# Altium PCB TK2560_PCB.PcbDoc (part 1 of 3)
Units mm, origin at the board's own origin, x right, y up, seen from the top; angles counter-clockwise.
Board outline 200 x 141.45 mm, 2 copper layers (L1, L2); 167 components, 176 nets, 683 pads, 232 vias.
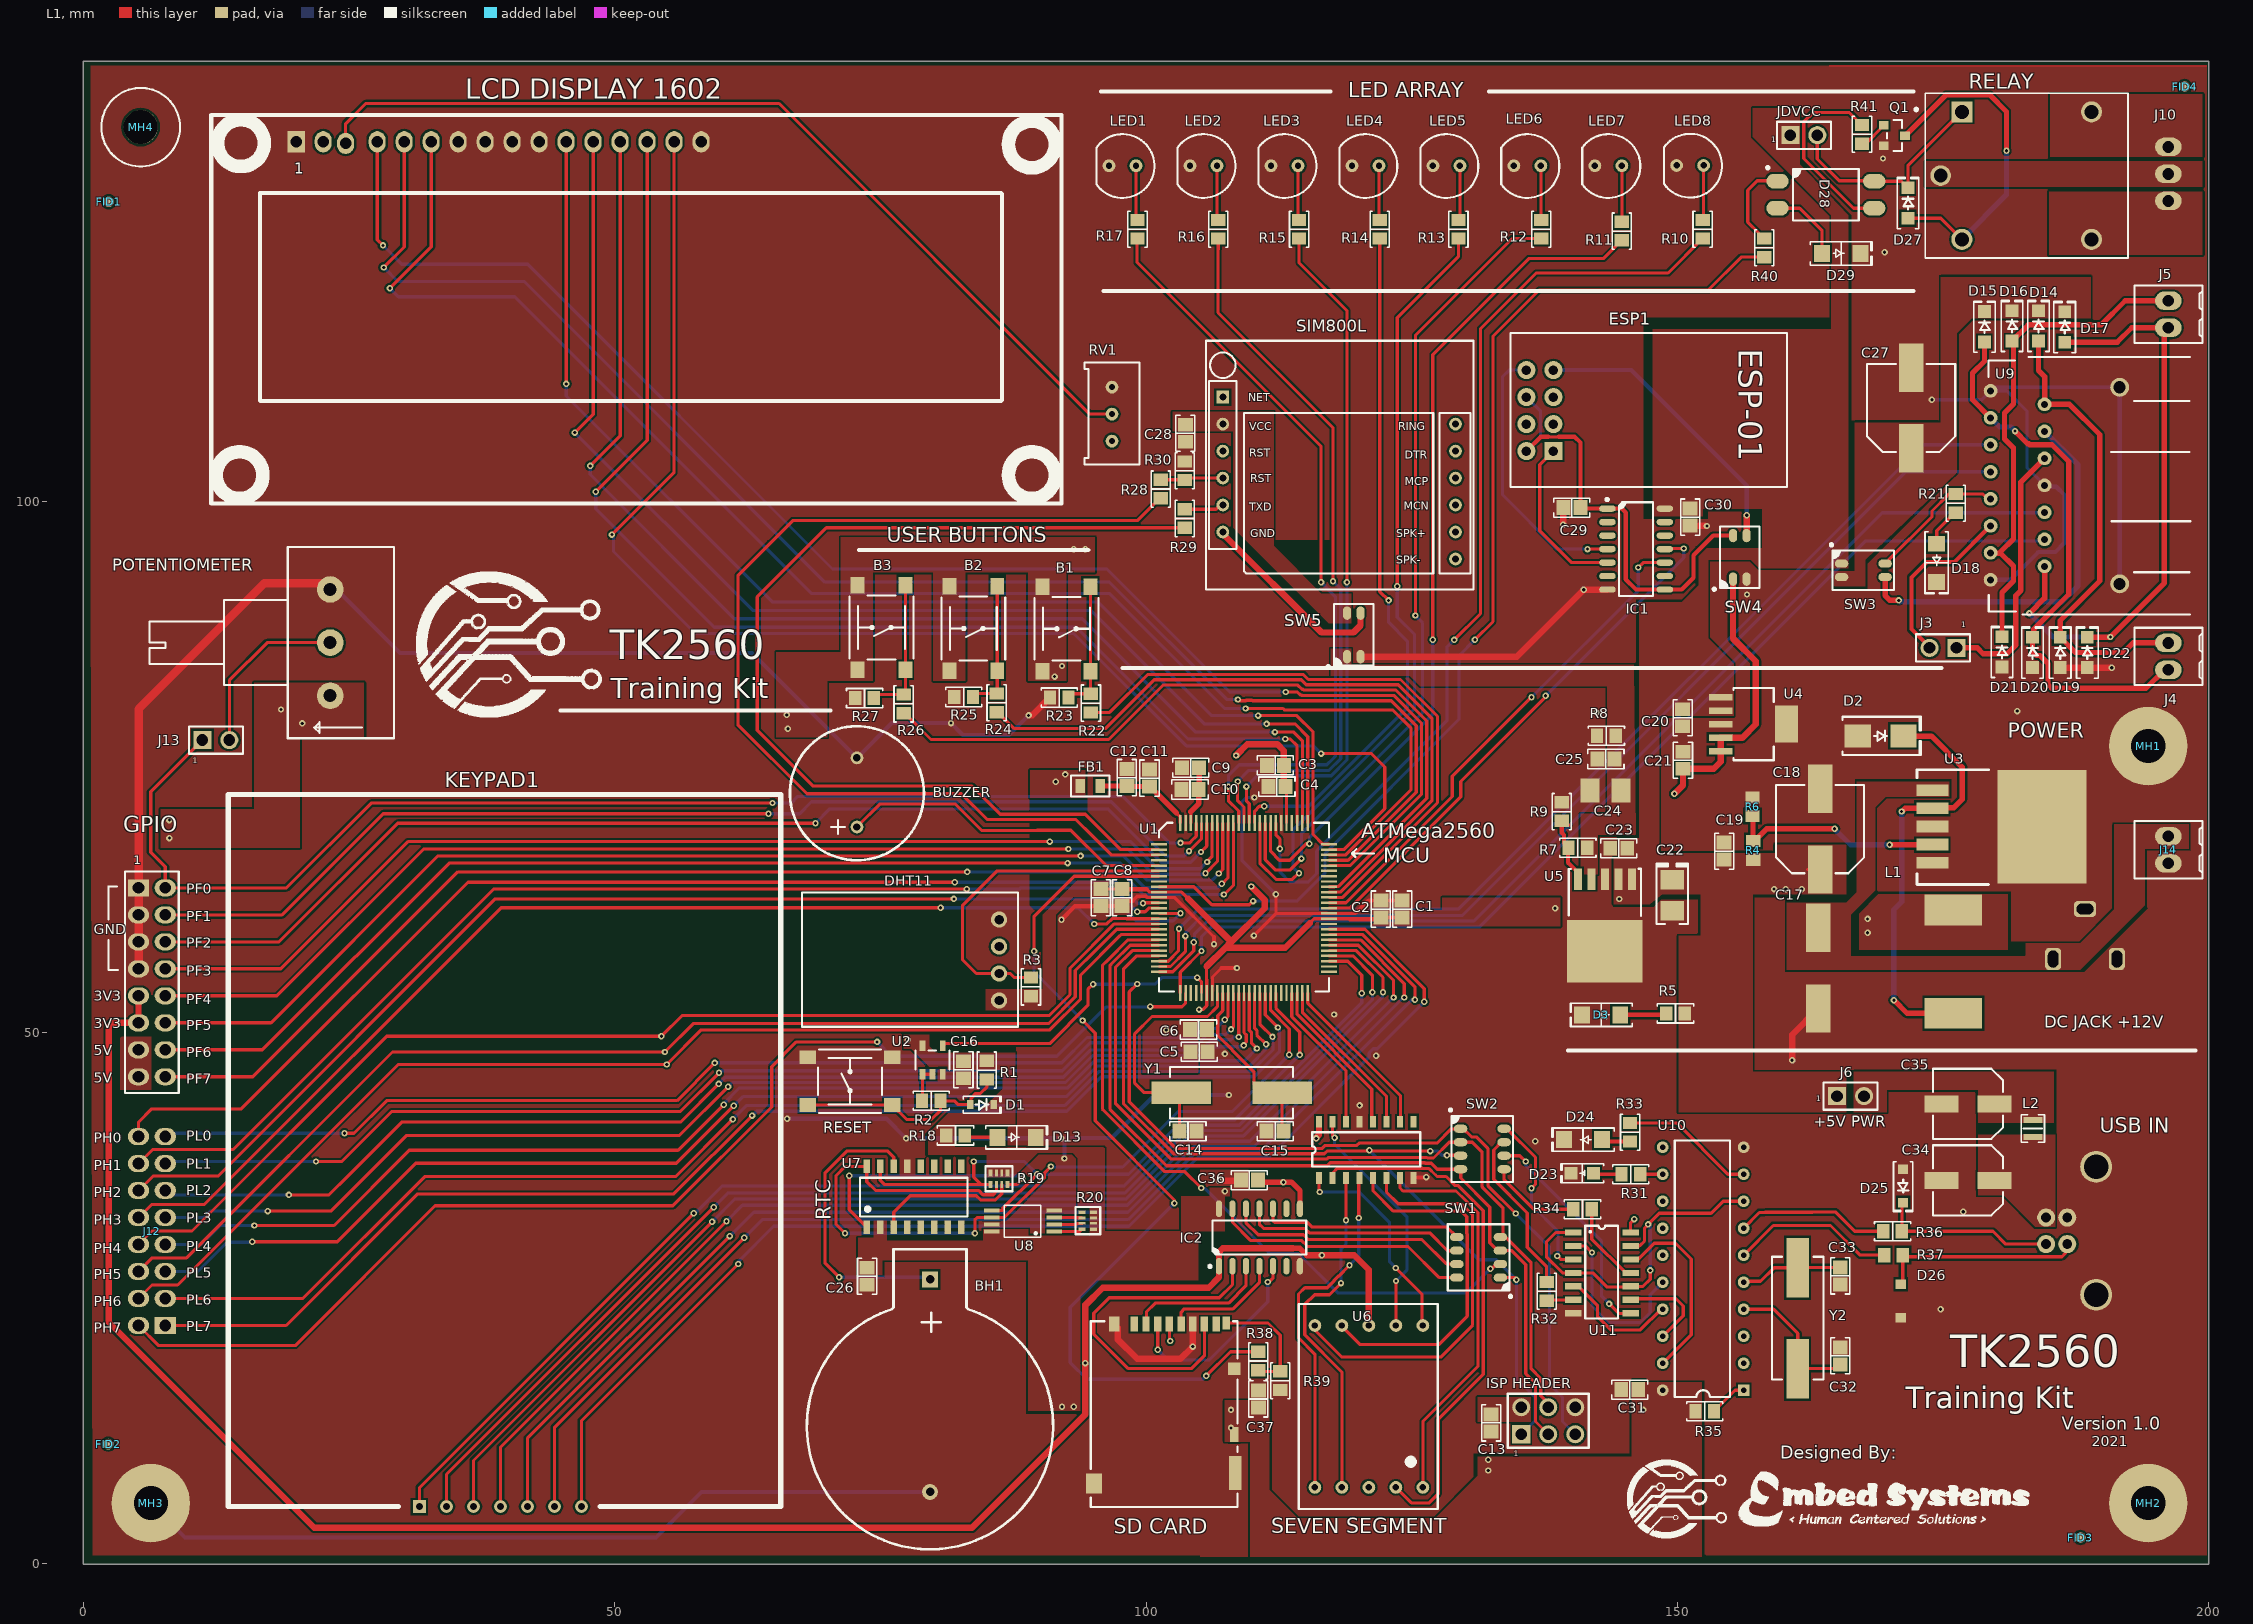
[diagram p0: L1 view]
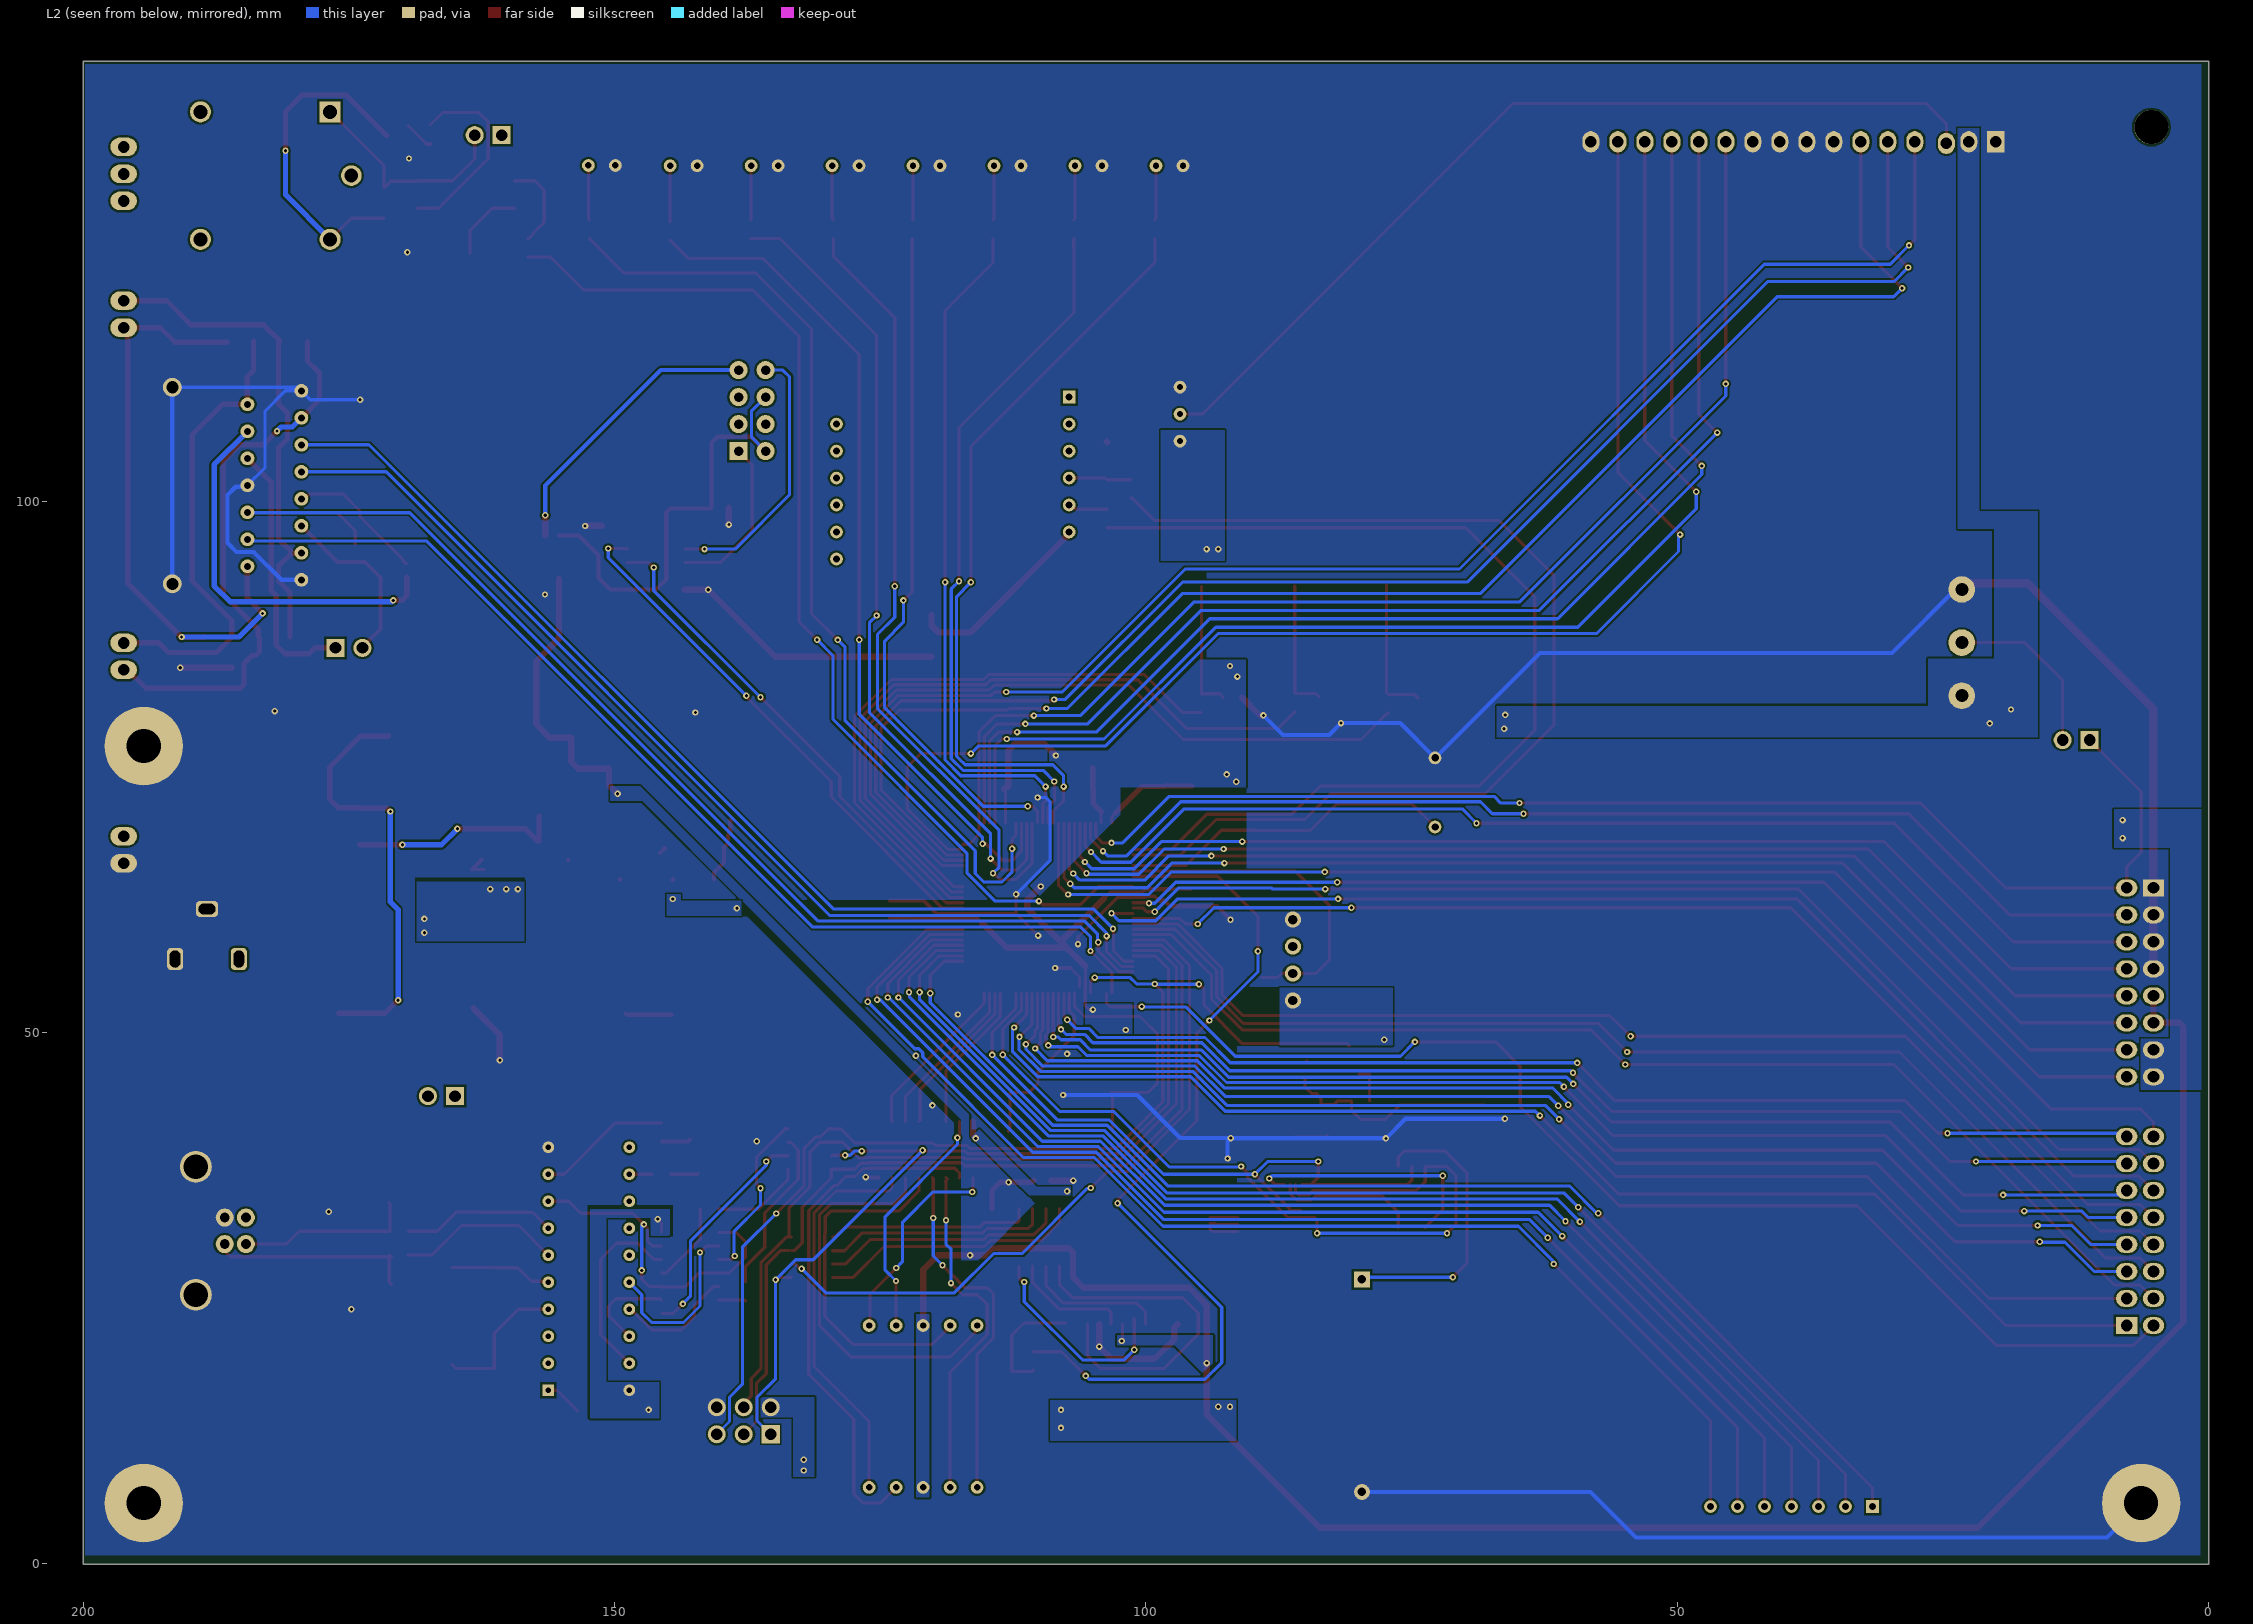
[diagram p1: L2 view, seen from below]

## Layer stack, top to bottom
Top Solder: solder mask 0.0102, Solder Resist, Dk 3.5
L1: signal copper 0.0356
Dielectric 1: dielectric 0.32, FR-4, Dk 4.8
L2: signal copper 0.0356
Bottom Solder: solder mask 0.0102, Solder Resist, Dk 3.5

## Board outline
0,-0.05 200,-0.05 200,141.4 0,141.4

## Design rules (kind name [scope] priority, off if disabled: settings)
Clearance Clearance_1 [All] p1: gap=0.2 ignorepadtopadclearanceinfootprint=FALSE
Clearance "Around polygons" [IsRegion] p2: gap=0.3 ignorepadtopadclearanceinfootprint=FALSE
ComponentClearance [All] p1: gap=0.2 collisioncheckmode=3 verticalgap=0.2 showdistances=FALSE
HoleSize [All] p1: absolutevalues=TRUE maxlimit=10 minlimit=0.2 maxpercent=80.000 minpercent=20.000
HoleToHoleClearance [All] p1: gap=0.3 allowstackedmicrovias=TRUE
MinimumAnnularRing [All] p1: minimumring=0.14
MinimumSolderMaskSliver [All] p1: minsoldermaskwidth=0.1
PolygonConnect [All] p1: connectstyle=Direct reliefconductorwidth=0.254 reliefentries=4 polygonreliefangle="90 Angle" airgapwidth=0.254
RoutingVias [All] p1: holewidth=0.3 width=0.6 viastyle="Through Hole" minholewidth=0.3 minwidth=0.6 maxholewidth=0.3 maxwidth=0.6
SilkToSilkClearance [All] p1: silktosilkclearance=0.1
SilkToSolderMaskClearance [IsPad] p1: minsilkscreentomaskgap=0.074 clearancetoexposedcopper=TRUE
SolderMaskExpansion [All] p1: expansion=0.1 istentingtop=FALSE
Width Width_power [InNet('+*') or InNet('GND*')] p1: maxlimit=4 minlimit=0.3 preferedwidth=0.4
Width [All] p2: maxlimit=0.5 minlimit=0.2 preferedwidth=0.3
24 further rules are at their usual default settings.

## Classes and differential pairs
component class GSMWiFi: C28 C29 C30 ESP1 IC1 R28 R29 R30 SIM800L SW4 SW5
component class "UsbTiny Programmer": C31 C32 C33 C34 C35 D23 D24 D25 D26 J6 L2 R31 R32 R33 R34 R35 R36 R37 U10 U11 "USB IN" Y2
component class RTC: BH1 C26 D13 R18 R19 R20 U7 U8
component class "Relay Module": D27 D28 D29 J10 JDVCC Q1 R40 R41 RELAY
component class Power: C17 C18 C19 C20 C21 C22 C23 C24 C25 D2 D3 "DC JACK +12V" J14 L1 R4 R5 R6 R7 R8 R9 U3 U4 U5
component class "Ouput Displays": "LCD DISPLAY 1602" LED1 LED2 LED3 LED4 LED5 LED6 LED7 LED8 R10 R11 R12 R13 R14 R15 R16 R17 RV1 "SEVEN SEGMENT" U6
component class "Motor Driver": C27 D14 D15 D16 D17 D18 D19 D20 D21 D22 J3 J4 J5 R21 SW3 U9
component class microSD: C36 C37 IC2 R38 R39 "SD CARD"
component class Main: BUZZER C1 C2 C3 C4 C5 C6 C7 C8 C9 C10 C11 C12 C13 C14 C15 C16 D1 DHT11 FB1 FID1 FID2 FID3 FID4 "ISP HEADER" J13 MH1 MH2 MH3 MH4 POTENTIOMETER R1 R2 R3 RESET SW1 SW2 U1 U2 Y1
component class "Input Keys": B1 B2 B3 KEYPAD R22 R23 R24 R25 R26 R27
component class GPIO: GPIO J12

## Components (designator, comment, footprint, x,y, rotation, side; value= is the part's Value field where it differs from the comment)
B1 "PTS645SM43SMTR92 LFS" "C&K PTS645" 92.515,88 r90 top (schematic designator S2)
B2 "PTS645SM43SMTR92 LFS" "C&K PTS645" 83.75,88.025 r90 top (schematic designator S3)
B3 "PTS645SM43SMTR92 LFS" "C&K PTS645" 75.11,88.125 r90 top (schematic designator S4)
BH1 "Batt Holder" "Batt Holder" 79.675,16.775 r90 top
BUZZER "BUZZER" BUZZER 72.8,72.6 r90 top (schematic designator LS1)
C1 "10µF" "CAP 0805_2012" 124.1,61.625 r270 top
C2 "100nF" "CAP 0805_2012" 122.1,61.625 r270 top
C3 "10µF" "CAP 0805_2012" 112.175,75.15 r0 top
C4 "100nF" "CAP 0805_2012" 112.319,73.152 r0 top
C5 "10µF" "CAP 0805_2012" 105,48.2 r180 top
C6 "100nF" "CAP 0805_2012" 104.94,50.29 r180 top
C7 "10µF" "CAP 0805_2012" 95.75,62.7 r90 top
C8 "100nF" "CAP 0805_2012" 97.75,62.7 r90 top
C9 "10µF" "CAP 0805_2012" 104.2,74.925 r0 top
C10 "100nF" "CAP 0805_2012" 104.14,72.875 r0 top
C11 "10µF" "CAP 0805_2012" 100.33,73.95 r270 top
C12 "100nF" "CAP 0805_2012" 98.2,74 r270 top
C13 "100nF" "CAP 0805_2012" 132.475,13.275 r90 top
C14 "22pF" "CAP 0805_2012" 103.95,40.725 r180 top
C15 "22pF" "CAP 0805_2012" 112.15,40.725 r0 top
C16 "0.1µF" "CAP 0805_2012" 82.825,46.5 r90 top
C17 "100µF" "CAP ALSMD 8.3MM H10.5MM" 163.275,56.075 r270 top
C18 "220µF" "CAP ALSMD 8.3MM H10.5MM" 163.425,69.15 r90 top
C19 "0.1µF" "CAP 0805_2012" 154.4,67.075 r270 top
C20 "10µF" "CAP 0805_2012" 150.5,79.625 r90 top
C21 "10µF" "CAP 0805_2012" 150.525,75.625 r270 top
C22 "100µF" "CAP POL 1411_3528" 149.525,62.925 r270 top
C23 "1µF" "CAP 0805_2012" 144.48,67.345 r0 top
C24 "330µF" "CAP POL 1411_3528" 143.225,72.775 r180 top
C25 "100nF" "CAP 0805_2012" 143.28,75.745 r0 top
C26 "100nF" "CAP 0805_2012" 73.75,27.075 r90 top
C27 "220µF" "CAP ALSMD 8.3MM H10.5MM" 172,108.775 r90 top
C28 "100nF" "CAP 0805_2012" 103.7,106.4 r90 top
C29 "100nF" "CAP 0805_2012" 140.075,99.4 r0 top
C30 "100nF" "CAP 0805_2012" 151.2,98.51 r90 top
C31 "100nF" "CAP 0805_2012" 145.525,16.4 r0 top
C32 "30pF" "CAP 0805_2012" 165.325,19.58 r90 top
C33 "30pF" "CAP 0805_2012" 165.325,27.105 r270 top
C34 "100µF" "CAP ALSMD 6.6MM H5.4MM" 177.35,36.1 r180 top
C35 "100µF" "CAP ALSMD 6.6MM H5.4MM" 177.35,43.3 r180 top
C36 "100nF" "CAP 0805_2012" 109.725,36.12 r0 top
C37 "100nF" "CAP 0805_2012" 110.575,15.525 r270 top
D1 "BAT54HT1G" SOD323 84.575,43.225 r0 top
D2 "B340BQ-13-F" "DO214AA SMB" 169.125,77.925 r0 top
D3 "Red" "LED 1206_3216 RED" 142.825,51.675 r180 top
D13 "Red" "LED 1206_3216 RED" 87.825,40.15 r0 top
D14 "1N4007FLTR" SOD123F 183.975,116.5 r90 top
D15 "1N4007FLTR" SOD123F 178.9,116.425 r90 top
D16 "1N4007FLTR" SOD123F 181.5,116.5 r90 top
D17 "1N4007FLTR" SOD123F 186.45,116.4 r90 top
D18 "Red" "LED 1206_3216 RED" 174.4,94.2 r270 top
D19 "1N4007FLTR" SOD123F 186.025,85.775 r90 top
D20 "1N4007FLTR" SOD123F 183.425,85.775 r90 top
D21 "1N4007FLTR" SOD123F 180.55,85.825 r90 top
D22 "1N4007FLTR" SOD123F 188.575,85.775 r90 top
D23 "Green" "LED 0805_2012 GREEN" 141.05,36.775 r180 top
D24 "Red" "LED 1206_3216 RED" 141.125,39.925 r180 top
D25 "MMSZ5227B-E3-08" SOD-123 171.25,35.55 r270 top
D26 "MMSZ5227B-E3-08" SOD-123 171.025,24.75 r90 top
D27 "1N4007FLTR" SOD123F 171.692,128.059 r90 top
D28 "LTV-817S-TA1" "LITEON LTV-817" 163.972,128.844 r0 top
D29 "Red" "LED 1206_3216 RED" 165.425,123.325 r0 top
"DC JACK +12V" "PJ-102AH" "CUI PJ-102AH" 191.86,56.926 r270 top (schematic designator J2)
DHT11 "DHT11" DHT11 86.175,56.83 r180 top (schematic designator HT1)
ESP1 "ESP-01M" ESP-01 137.07,108.53 r0 top
FB1 "MPZ2012S601AT000" C0805 94.75,73.2 r0 top
FID1 "FID_1MM" FID_40x120 2.4,128.175 r0 top
FID2 "FID_1MM" FID_40x120 2.35,11.275 r90 top
FID3 "FID_1MM" FID_40x120 187.935,2.489 r90 top
FID4 "FID_1MM" FID_40x120 197.725,139.025 r90 top
GPIO "HDR_2x8" HDR_2x8 6.457,54.73 r0 top (schematic designator J11)
IC1 "TXB0104DR" "TI SOIC-14 D" 146.12,95.5 r0 top
IC2 "TXB0104DR" "TI SOIC-14 D" 110.675,30.725 r90 top
"ISP HEADER" "ISP HDR" HDR_2x3 137.85,13.475 r90 top (schematic designator J1)
J3 "HDR_1x2" HDR_1x2 175,86.2 r270 top
J4 "282834-2" "TE 282834-2" 196.2,85.4 r270 top
J5 "282834-2" "TE 282834-2" 196.2,117.6 r270 top
J6 "OUTPWR" HDR_1x2 166.3,44.025 r90 top
J10 "282834-3" "TE 282834-3" 196.2,130.8 r270 top
J12 "HDR_2x8" HDR_2x8 6.457,31.33 r180 top
J13 "HDR_1x2" HDR_1x2 12.475,77.525 r90 top
J14 "282834-2" "TE 282834-2" 196.2,67.2 r270 top
JDVCC "JDVCC" HDR_1x2 161.902,134.444 r90 top (schematic designator J9)
KEYPAD1 "3X4Keypad" COM-08653 39.255,5.4 r0 top locked (schematic designator KP1)
L1 "33µH" "BOURNS SRR1280" 175.975,56.675 r90 top
L2 "2.2µH" "IND 0806_2016" 183.45,40.975 r90 top
"LCD DISPLAY 1602" "LCD-1602" LCD1602 39.09,133.749 r0 top (schematic designator DS1)
LED1 "LED_5mm" LED_5mm 97.79,131.57 r270 top (schematic designator D12)
LED2 "LED_5mm" LED_5mm 105.41,131.57 r270 top (schematic designator D11)
LED3 "LED_5mm" LED_5mm 113.03,131.57 r270 top (schematic designator D10)
LED4 "LED_5mm" LED_5mm 120.65,131.57 r270 top (schematic designator D9)
LED5 "LED_5mm" LED_5mm 128.27,131.57 r270 top (schematic designator D8)
LED6 "LED_5mm" LED_5mm 135.89,131.57 r270 top (schematic designator D6)
LED7 "LED_5mm" LED_5mm 143.51,131.57 r270 top (schematic designator D5)
LED8 "LED_5mm" LED_5mm 151.2,131.6 r270 top (schematic designator D4)
MH1 "MH_7.4MMC_3.2MMD" MH_7.4MMC_3.2MMD#1 194.31,76.96 r0 top
MH2 "MH_7.4MMC_3.2MMD" MH_7.4MMC_3.2MMD#2 194.31,2.03 r0 top
MH3 "MH_7.4MMC_3.2MMD" MH_7.4MMC_3.2MMD#3 5.95,5.925 r0 top
MH4 "MH_7.4MMNC_3.2MMD" MH_7.4MM_3.2MMD_NON_COPPER_NPTH 5.4,135.2 r0 top
POTENTIOMETER "POT 10K" 5MM_POT 23.237,86.7 r180 top (schematic designator VR1)
Q1 "BC847BLT3G" "ON SEMI SOT-23-3" 170.422,134.409 r0 top
R1 "10 kOhms" "RES 0805_2012" 85.025,46.475 r90 top
R2 "22 Ohms" "RES 0805_2012" 79.8,43.575 r180 top
R3 "4.7 kOhms" "RES 0805_2012" 89.175,54.3 r270 top
R4 "3 kOhms" "RES 0805_2012" 157.15,67.15 r270 top
R5 "330 Ohms" "RES 0805_2012" 149.825,51.8 r0 top
R6 "1 kOhms" "RES 0805_2012" 157.075,71.25 r270 top
R7 "100 kOhms" "RES 0805_2012" 140.64,67.395 r0 top
R8 "470 Ohms" "RES 0805_2012" 143.325,77.925 r0 top
R9 "43 kOhms" "RES 0805_2012" 139.125,70.8 r270 top
R10 "330 Ohms" "RES 0805_2012" 152.375,125.6 r270 top
R11 "330 Ohms" "RES 0805_2012" 144.775,125.425 r270 top
R12 "330 Ohms" "RES 0805_2012" 137.2,125.6 r270 top
R13 "330 Ohms" "RES 0805_2012" 129.4,125.6 r270 top
R14 "330 Ohms" "RES 0805_2012" 122,125.6 r270 top
R15 "330 Ohms" "RES 0805_2012" 114.4,125.6 r270 top
R16 "330 Ohms" "RES 0805_2012" 106.8,125.6 r270 top
R17 "330 Ohms" "RES 0805_2012" 99.2,125.6 r270 top
R18 "330 Ohms" "RES 0805_2012" 82.075,40.325 r180 top
R19 "EXB-28V472JX" "RESNET 0804-8 CONVEX" 86.175,36.25 r90 top
R20 "EXB-28V472JX" "RESNET 0804-8 CONVEX" 94.525,32.3 r0 top
R21 "330 Ohms" "RES 0805_2012" 176.2,99.8 r90 top
R22 "220 Ohms" "RES 0805_2012" 94.815,81.005 r270 top
R23 "10 kOhms" "RES 0805_2012" 91.84,81.53 r180 top
R24 "220 Ohms" "RES 0805_2012" 85.94,81.03 r270 top
R25 "10 kOhms" "RES 0805_2012" 82.84,81.58 r180 top
R26 "220 Ohms" "RES 0805_2012" 77.19,80.93 r270 top
R27 "10 kOhms" "RES 0805_2012" 73.515,81.48 r180 top
R28 "1 kOhms" "RES 0805_2012" 101.4,101.15 r90 top
R29 "1 kOhms" "RES 0805_2012" 103.65,98.375 r90 top
R30 "2 kOhms" "RES 0805_2012" 103.65,102.875 r270 top
R31 "220 Ohms" "RES 0805_2012" 145.625,36.675 r180 top
R32 "1.5 kOhms" "RES 0805_2012" 137.7,25.65 r270 top
R33 "220 Ohms" "RES 0805_2012" 145.55,40.625 r90 top
R34 "1.5 kOhms" "RES 0805_2012" 141.075,33.375 r0 top
R35 "10 kOhms" "RES 0805_2012" 152.575,14.38 r180 top
R36 "33.2 Ohms" "RES 0805_2012" 170.25,31.3 r180 top
R37 "33.2 Ohms" "RES 0805_2012" 170.338,29.063 r180 top
R38 "220 Ohms" "RES 0805_2012" 110.575,19.1 r90 top
R39 "10 kOhms" "RES 0805_2012" 112.625,17.25 r270 top
R40 "1 kOhms" "RES 0805_2012" 158.172,123.844 r270 top
R41 "1 kOhms" "RES 0805_2012" 167.375,134.525 r90 top
RELAY "SRD-05VDC" SRD-05VDC 181.872,130.644 r0 top (schematic designator K1)
RESET "PTS645SM43SMTR92 LFS" "C&K PTS645" 72.15,45.425 r0 top (schematic designator S1)
RV1 "3296W-10K_Trim_Pot" 3296W_TrimPot 96.8,108.2 r180 top
"SD CARD" "DM3BT-DSF-PEJS" "HIROSE DM3BT-DSF-PEJS" 101.7,14.845 r0 top (schematic designator J8)
"SEVEN SEGMENT" "7SEG_1DG" 7SEG_1DG 120.975,14.825 r90 top (schematic designator D7)
SIM800L "Sim800l Breakout" SIM800L_BO 118.18,102.18 r0 top (schematic designator SIM1)
SW1 "DIP SWITCH" "CTS 218-4LPJ" 131.3,28.85 r180 top
SW2 "DIP SWITCH" "CTS 218-4LPJ" 131.65,39.05 r0 top
SW3 "218-2LPST" "CTS 218-2LPJ" 167.5,93.5 r0 top
SW4 "218-2LPST" "CTS 218-2LPJ" 155.875,94.725 r90 top
SW5 "218-2LPST" "CTS 218-2LPJ" 119.55,87.425 r90 top
U1 "ATMEGA2560-16AUR" 100pinTQFP 109.22,61.72 r0 top locked
U2 "SN74AHC1G09DBVR" DBV_SOP_23_5 79.925,47.425 r90 top
U3 "LM2596DSADJR4G" "D2PAK 5_LEAD" 179.16,69.396 r0 top
U4 "TL1963A-33DCQR" DCQ(R-PDSO-G6) 157.175,79.025 r0 top
U5 "MIC29302AWD-TR" TO-252-5 143.18,61.045 r270 top
U6 "MC74HC595ADR2" SOIC-16 120.725,38.975 r90 top
U7 "DS3231SN" "16 SO" 78.175,34.55 r90 top
U8 "AT24C32D-SSHM-T" "8-Pin TTSOP" 88.425,32.275 r180 top
U9 "L298N" Multiwatt15 185.548,101.473 r0 top
U10 "ATTINY2313-20PU" DIP20 152.425,27.78 r180 top
U11 "SN74AHC125NSR" 14-SOIC_5.3MM 142.9,27.385 r0 top
"USB IN" "61729-1011BLF" "FCI USB 61729-1011BLF" 189.4,31.35 r90 top (schematic designator J7)
Y1 "16MHz" "ABRACON ABLS" 108.05,44.35 r180 top
Y2 "12MHz" "ABRACON ABLS" 161.325,23.13 r270 top
